# KiCad board ergotonic_f24.kicad_pcb
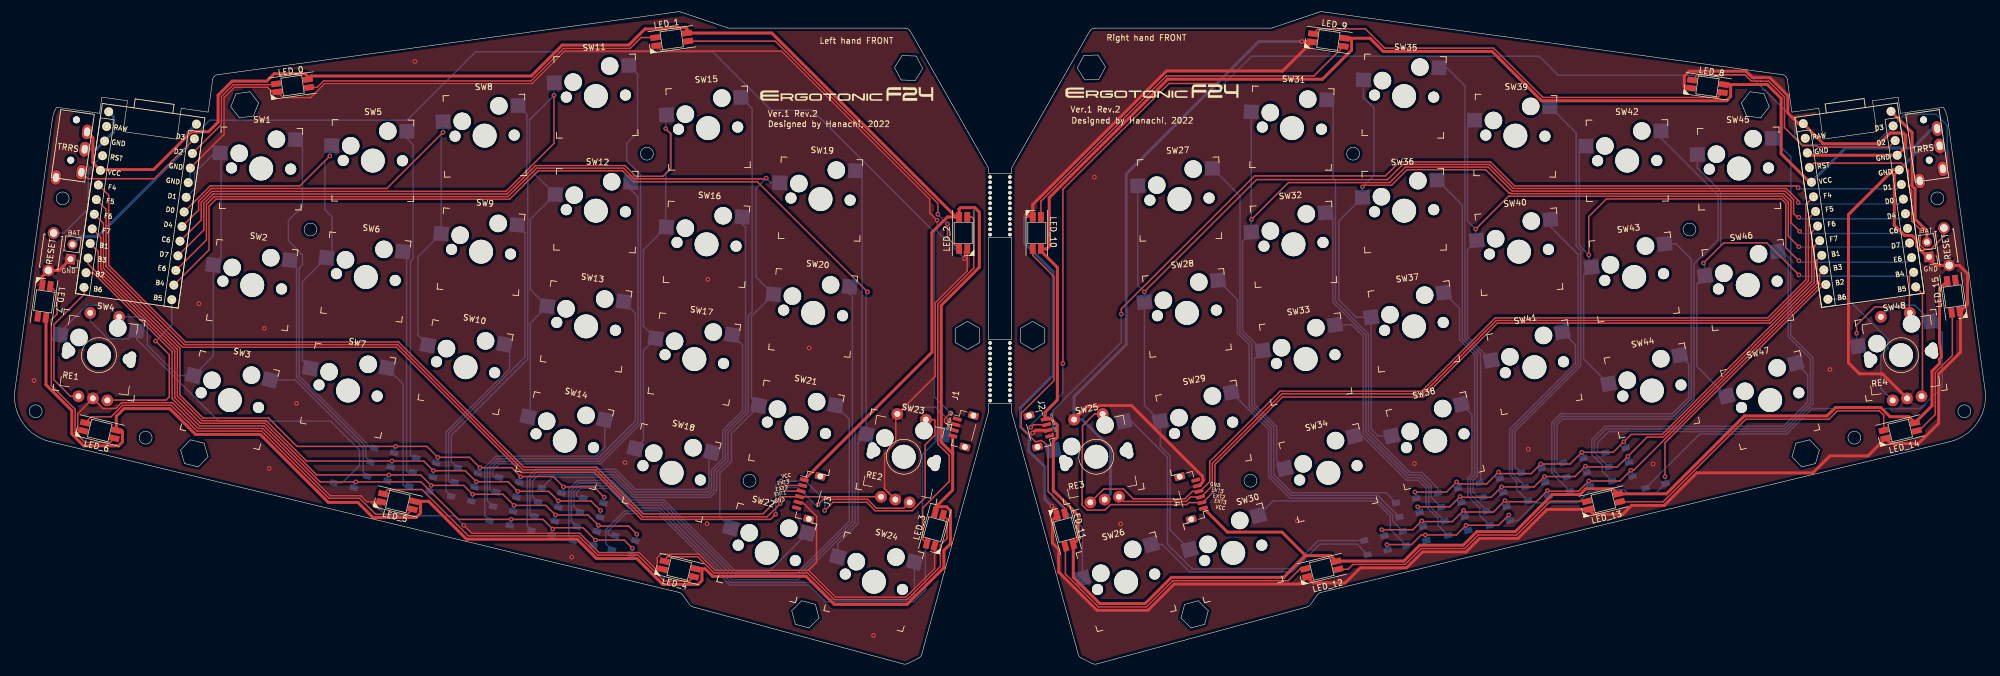
[diagram p0: board, top side]
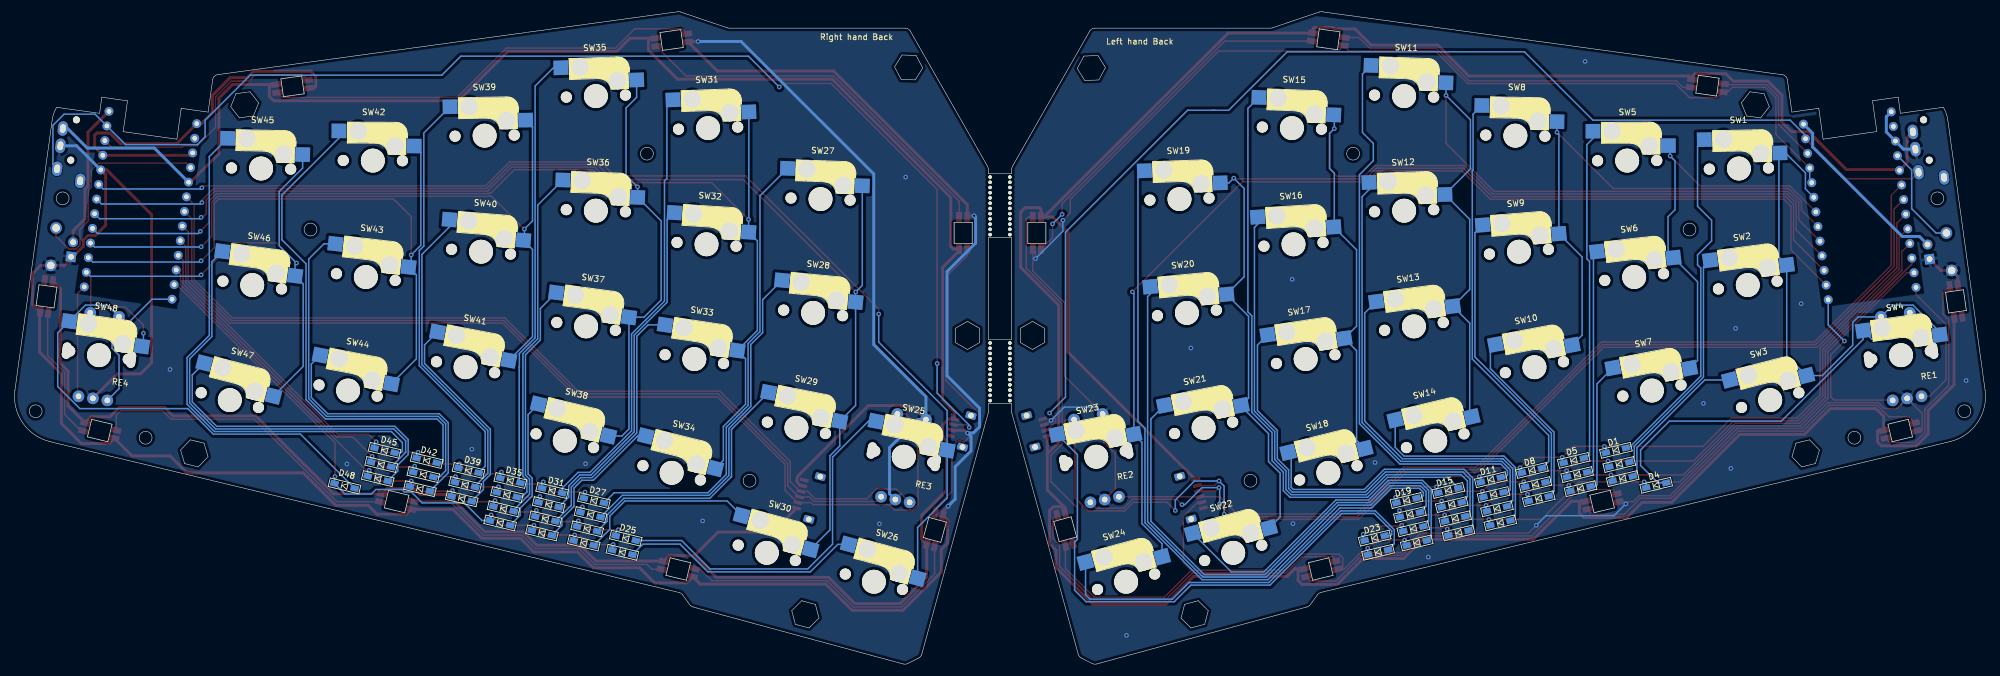
[diagram p1: board, bottom side, seen from below]

Outline 339.38 x 112.22 mm; copper layers: Top, Bottom. Coordinates in mm from the lower left corner of the outline.
Outline path: circle c4.12,43.52 r1.1 ; circle c8.76,80.12 r1.1 ; circle c23,38.97 r1.1 ; circle c51.31,74.76 r1.1 ; circle c109.07,87.8 r1.1 ; circle c126.69,31.57 r1.1 ; circle c212.69,31.57 r1.1 ; circle c230.32,87.8 r1.1 ; circle c288.07,74.76 r1.1 ; circle c316.38,38.97 r1.1 ; circle c330.63,80.12 r1.1 ; circle c335.26,43.52 r1.1 ; 29.01,36.85 29.69,34.52 32.04,33.95 33.72,35.7 33.04,38.03 30.68,38.6 29.01,36.85 ; 37.61,95.87 39.1,93.95 41.5,94.28 42.41,96.53 40.92,98.44 38.52,98.11 37.61,95.87 ; 133.94,9.23 134.56,6.89 136.9,6.25 138.62,7.96 137.99,10.31 135.65,10.94 133.94,9.23 ; 151.58,102.61 152.72,100.47 155.15,100.39 156.43,102.44 155.29,104.58 152.87,104.67 151.58,102.61 ; 162.01,57.76 162.01,55.34 164.11,54.13 166.21,55.34 166.21,57.76 164.11,58.98 162.01,57.76 ; 173.18,55.34 173.18,57.76 175.28,58.98 177.38,57.76 177.38,55.34 175.28,54.13 173.18,55.34 ; 182.95,102.54 184.09,104.68 186.51,104.77 187.8,102.71 186.66,100.57 184.24,100.49 182.95,102.54 ; 200.77,7.96 201.39,10.31 203.73,10.94 205.45,9.23 204.83,6.89 202.48,6.25 200.77,7.96 ; 296.97,96.53 298.46,98.44 300.86,98.11 301.78,95.87 300.29,93.95 297.89,94.28 296.97,96.53 ; 305.67,35.7 306.35,38.03 308.7,38.6 310.38,36.85 309.7,34.52 307.34,33.95 305.67,35.7
Stack: Top 0.035mm / dielectric 1.51mm FR4 er 4.5 / Bottom 0.035mm

## Placement (name value [footprint] x y rotation side)
BAT1  Conn_01x02  [PinHeader_1x02_P2.54mm_Vertical]  10.09 69.67 172 top
BAT2  Conn_01x02  [PinHeader_1x02_P2.54mm_Vertical]  329.19 70.07 188 top
D1  1N4148W  [D3_SMD_v2]  63.95 36.8 166.5 bottom
D2  1N4148W  [D3_SMD_v2]  63.36 34.37 166.5 bottom
D3  1N4148W  [D3_SMD_v2]  62.78 31.94 166.5 bottom
D4  1N4148W  [D3_SMD_v2]  57.03 30.79 166.5 bottom
D5  1N4148W  [D3_SMD_v2]  71.18 35.06 166.5 bottom
D6  1N4148W  [D3_SMD_v2]  70.6 32.63 166.5 bottom
D7  1N4148W  [D3_SMD_v2]  70.01 30.2 166.5 bottom
D8  1N4148W  [D3_SMD_v2]  78.36 33.34 166.5 bottom
D9  1N4148W  [D3_SMD_v2]  77.78 30.91 166.5 bottom
D10  1N4148W  [D3_SMD_v2]  77.19 28.48 166.5 bottom
D11  1N4148W  [D3_SMD_v2]  85.42 31.74 166.5 bottom
D12  1N4148W  [D3_SMD_v2]  84.95 29.18 166.5 bottom
D13  1N4148W  [D3_SMD_v2]  84.37 26.75 166.5 bottom
D14  1N4148W  [D3_SMD_v2]  83.79 24.32 166.5 bottom
D15  1N4148W  [D3_SMD_v2]  92.72 29.89 166.5 bottom
D16  1N4148W  [D3_SMD_v2]  92.13 27.46 166.5 bottom
D17  1N4148W  [D3_SMD_v2]  91.55 25.03 166.5 bottom
D18  1N4148W  [D3_SMD_v2]  90.97 22.6 166.5 bottom
D19  1N4148W  [D3_SMD_v2]  99.89 28.17 166.5 bottom
D20  1N4148W  [D3_SMD_v2]  99.31 25.74 166.5 bottom
D21  1N4148W  [D3_SMD_v2]  98.73 23.31 166.5 bottom
D22  1N4148W  [D3_SMD_v2]  98.14 20.87 166.5 bottom
D23  1N4148W  [D3_SMD_v2]  105.36 21.7 166.5 bottom
D24  1N4148W  [D3_SMD_v2]  104.78 19.27 166.5 bottom
D25  1N4148W  [D3_SMD_v2]  233.95 21.7 193.5 bottom
D26  1N4148W  [D3_SMD_v2]  234.53 19.27 193.5 bottom
D27  1N4148W  [D3_SMD_v2]  239.41 28.17 193.5 bottom
D28  1N4148W  [D3_SMD_v2]  239.99 25.74 193.5 bottom
D29  1N4148W  [D3_SMD_v2]  240.58 23.3 193.5 bottom
D30  1N4148W  [D3_SMD_v2]  241.16 20.87 193.5 bottom
D31  1N4148W  [D3_SMD_v2]  246.59 29.89 193.5 bottom
D32  1N4148W  [D3_SMD_v2]  247.17 27.46 193.5 bottom
D33  1N4148W  [D3_SMD_v2]  247.76 25.03 193.5 bottom
D34  1N4148W  [D3_SMD_v2]  248.34 22.6 193.5 bottom
D35  1N4148W  [D3_SMD_v2]  253.77 31.61 193.5 bottom
D36  1N4148W  [D3_SMD_v2]  254.35 29.18 193.5 bottom
D37  1N4148W  [D3_SMD_v2]  254.93 26.75 193.5 bottom
D38  1N4148W  [D3_SMD_v2]  255.52 24.32 193.5 bottom
D39  1N4148W  [D3_SMD_v2]  260.94 33.34 193.5 bottom
D40  1N4148W  [D3_SMD_v2]  261.53 30.91 193.5 bottom
D41  1N4148W  [D3_SMD_v2]  262.11 28.47 193.5 bottom
D42  1N4148W  [D3_SMD_v2]  268.12 35.06 193.5 bottom
D43  1N4148W  [D3_SMD_v2]  268.71 32.63 193.5 bottom
D44  1N4148W  [D3_SMD_v2]  269.29 30.2 193.5 bottom
D45  1N4148W  [D3_SMD_v2]  275.36 36.8 193.5 bottom
D46  1N4148W  [D3_SMD_v2]  275.94 34.37 193.5 bottom
D47  1N4148W  [D3_SMD_v2]  276.53 31.94 193.5 bottom
D48  1N4148W  [D3_SMD_v2]  282.23 30.68 193.5 bottom
G***  LOGO  [f24logo]  195.89 98.47 0 top
G***#2  LOGO  [f24logo]  143.49 97.97 0 top
J1  Conn_01x04  [JST_SH_BM03B-SRSS-TB_1x04-1MP_P1.00mm_Vertical]  163.24 40.39 254.9 top
J2  Conn_01x04  [JST_SH_BM03B-SRSS-TB_1x04-1MP_P1.00mm_Vertical]  176.56 40.39 105.1 top
J3  Conn_01x06  [JST_SH_BM03B-SRSS-TB_1x06-1MP_P1.00mm_Vertical]  136.69 28.97 254.9 top
J4  Conn_01x06  [JST_SH_BM03B-SRSS-TB_1x06-1MP_P1.00mm_Vertical]  202.69 28.92 105.1 top
LED_0  -  [YS-SK6812MINI-E]  48.23 99.5 8 top
LED_1  -  [YS-SK6812MINI-E]  113.32 107.46 8 top
LED_2  -  [YS-SK6812MINI-E]  163.37 74.17 90 top
LED_3  YS-SK6812MINI-E  [YS-SK6812MINI-E#3]  158.5 23.23 74.9 top
LED_4  -  [YS-SK6812MINI-E]  114.62 16.39 346.5 top
LED_5  -  [YS-SK6812MINI-E]  66.31 27.99 346.5 top
LED_6  -  [YS-SK6812MINI-E]  15.13 40.2 346.5 top
LED_7  -  [YS-SK6812MINI-E]  5.56 62.4 262 top
LED_8  -  [YS-SK6812MINI-E]  291.16 99.38 352 top
LED_9  -  [YS-SK6812MINI-E]  226.06 107.34 352 top
LED_10  -  [YS-SK6812MINI-E]  176.01 74.17 270 top
LED_11  YS-SK6812MINI-E  [YS-SK6812MINI-E#2]  180.88 23.13 285.1 top
LED_12  -  [YS-SK6812MINI-E]  224.94 16.39 13.5 top
LED_13  -  [YS-SK6812MINI-E]  273.29 27.99 13.5 top
LED_14  -  [YS-SK6812MINI-E]  324.25 40.2 13.5 top
LED_15  -  [YS-SK6812MINI-E]  333.4 63.27 98 top
mousebite1  -  [mousebite]  167.69 84.09 270 top
mousebite2  -  [mousebite]  171.09 84.09 270 top
mousebite3  -  [mousebite]  167.69 55.55 270 top
mousebite4  -  [mousebite]  171.09 55.55 270 top
RE1  RotaryEncoder_Switch  [RotaryEncoder_Alps_EC11E-Switch_Vertical_H20mm_rev2]  14.99 53.16 82 top
RE2  RotaryEncoder_Switch  [RotaryEncoder_Alps_EC11E-Switch_Vertical_H20mm_rev2]  153.17 35.69 78.9 top
RE3  RotaryEncoder_Switch  [RotaryEncoder_Alps_EC11E-Switch_Vertical_H20mm_rev2]  186.21 35.69 101.1 top
RE4  RotaryEncoder_Switch  [RotaryEncoder_Alps_EC11E-Switch_Vertical_H20mm_rev2]  324.39 53.16 98 top
SW1  SW_PUSH  [CherryMX_Hotswap]  42.83 85.25 358.9 top
SW2  SW_PUSH  [CherryMX_Hotswap]  41.3 65.22 352.4 top
SW3  SW_PUSH  [CherryMX_Hotswap]  37.46 45.43 345.6 top
SW4  SW_PUSH  [CherryMX_Hotswap]  14.99 53.16 352 top
SW5  SW_PUSH  [CherryMX_Hotswap]  62.01 86.61 359.7 top
SW6  SW_PUSH  [CherryMX_Hotswap]  60.81 66.59 353.4 top
SW7  SW_PUSH  [CherryMX_Hotswap]  57.76 47.08 349.1 top
SW8  SW_PUSH  [CherryMX_Hotswap]  81.21 90.9 1.1 top
SW9  SW_PUSH  [CherryMX_Hotswap]  80.59 70.94 355.4 top
SW10  SW_PUSH  [CherryMX_Hotswap]  77.93 51.09 349.3 top
SW11  SW_PUSH  [CherryMX_Hotswap]  100.31 97.7 2 top
SW12  SW_PUSH  [CherryMX_Hotswap]  100.3 78 358 top
SW13  SW_PUSH  [CherryMX_Hotswap]  98.63 58.11 352.4 top
SW14  SW_PUSH  [CherryMX_Hotswap]  94.97 38.45 346.5 top
SW15  SW_PUSH  [CherryMX_Hotswap]  119.57 92.19 2 top
SW16  SW_PUSH  [CherryMX_Hotswap]  119.3 72.22 356.4 top
SW17  SW_PUSH  [CherryMX_Hotswap]  117.21 52.49 351.5 top
SW18  SW_PUSH  [CherryMX_Hotswap]  113.32 32.93 346 top
SW19  SW_PUSH  [CherryMX_Hotswap]  138.88 79.99 358 top
SW20  SW_PUSH  [CherryMX_Hotswap]  137.6 60.42 354.6 top
SW21  SW_PUSH  [CherryMX_Hotswap]  134.74 40.67 348.9 top
SW22  SW_PUSH  [CherryMX_Hotswap]  129.65 19.17 344.9 top
SW23  SW_PUSH  [CherryMX_Hotswap]  153.17 35.69 348.9 top
SW24  SW_PUSH  [CherryMX_Hotswap]  148.04 14.2 344.9 top
SW25  SW_PUSH  [CherryMX_Hotswap]  186.21 35.69 11.1 top
SW26  SW_PUSH  [CherryMX_Hotswap]  191.34 14.2 15.1 top
SW27  SW_PUSH  [CherryMX_Hotswap]  200.51 79.99 2 top
SW28  SW_PUSH  [CherryMX_Hotswap]  201.78 60.42 5.4 top
SW29  SW_PUSH  [CherryMX_Hotswap]  204.65 40.67 11.1 top
SW30  SW_PUSH  [CherryMX_Hotswap]  209.73 19.17 15.1 top
SW31  SW_PUSH  [CherryMX_Hotswap]  219.81 92.19 357.9 top
SW32  SW_PUSH  [CherryMX_Hotswap]  220.08 72.22 3.6 top
SW33  SW_PUSH  [CherryMX_Hotswap]  222.17 52.49 8.5 top
SW34  SW_PUSH  [CherryMX_Hotswap]  226.06 32.93 14 top
SW35  SW_PUSH  [CherryMX_Hotswap]  239.07 97.7 358 top
SW36  SW_PUSH  [CherryMX_Hotswap]  239.08 78 2 top
SW37  SW_PUSH  [CherryMX_Hotswap]  240.76 58.11 7.6 top
SW38  SW_PUSH  [CherryMX_Hotswap]  244.41 38.45 13.5 top
SW39  SW_PUSH  [CherryMX_Hotswap]  258.17 90.9 358.9 top
SW40  SW_PUSH  [CherryMX_Hotswap]  258.79 70.94 4.6 top
SW41  SW_PUSH  [CherryMX_Hotswap]  261.45 51.09 10.7 top
SW42  SW_PUSH  [CherryMX_Hotswap]  277.37 86.61 0.3 top
SW43  SW_PUSH  [CherryMX_Hotswap]  278.57 66.59 6.5 top
SW44  SW_PUSH  [CherryMX_Hotswap]  281.62 47.08 10.8 top
SW45  SW_PUSH  [CherryMX_Hotswap]  296.56 85.25 1.1 top
SW46  SW_PUSH  [CherryMX_Hotswap]  298.08 65.22 7.6 top
SW47  SW_PUSH  [CherryMX_Hotswap]  301.93 45.43 14.4 top
SW48  SW_PUSH  [CherryMX_Hotswap]  324.39 53.16 8 top
SW_RESET1  SW_PUSH  [ResetSW_1side]  6.75 70.94 82 top
SW_RESET2  SW_PUSH  [ResetSW_1side]  332.21 71.81 98 top
TRRS1  MJ-4PP-9  [MJ-4PP-9_1side]  11.33 95.11 352 top
TRRS2  MJ-4PP-9  [MJ-4PP-9_1side]  328.05 95.11 8 top
U1  -  [ProMicro]  22.24 79.96 352 top
U2  -  [ProMicro]  317.1 80.04 8 top

## Footprints (pads in the part's own frame, mm; a bottom-side part is the same pattern mirrored in y, then rotated)
CherryMX_Hotswap
  round 1.9 hole 1.9 unplated: (-5.08,0) (5.08,0)
  round 3 hole 3 unplated: (-3.81,2.54) (2.54,5.08)
  round 4.1 hole 4.1 unplated: (0,0)
  rect 2.55x2.5 smd far side: 1(-7.085,2.54) 2(5.842,5.08)
D3_SMD_v2
  rect 1.4x1 smd: 1(-1.775,0) 2(1.775,0)
JST_SH_BM03B-SRSS-TB_1x04-1MP_P1.00mm_Vertical
  rrect 0.6x1.55 smd: 1(-1.5,-1.325) 2(-0.5,-1.325) 3(0.5,-1.325) 4(1.5,-1.325)
  rrect 1.2x1.8 hole 1: MP(-2.8,1.2) MP(2.8,1.2)
JST_SH_BM03B-SRSS-TB_1x06-1MP_P1.00mm_Vertical
  rrect 0.6x1.55 smd: 1(-2.5,-1.325) 2(-1.5,-1.325) 3(-0.5,-1.325) 4(0.5,-1.325) 5(1.5,-1.325) 6(2.5,-1.325)
  rrect 1.2x1.8 hole 1: MP(-3.8,1.2) MP(3.8,1.2)
MJ-4PP-9_1side
  round 1.2 hole 1.2 unplated: (0,-1.5) (0,-8.5)
  oval 1.7x2.5 hole 1x1.5: A(-2.1,-11.8) B(2.1,-3.3) C(2.1,-6.3) D(2.1,-10.3)
mousebite
  round 0.6 hole 0.6 unplated: (0.3,0.3) (1.2,0.3) (2.1,0.3) (3,0.3) (3.9,0.3) (4.8,0.3) (5.7,0.3) (6.6,0.3) (7.5,0.3) (8.4,0.3) (9.3,0.3) (10.2,0.3)
PinHeader_1x02_P2.54mm_Vertical
  rect 1.7x1.7 hole 1: 1(0,0)
  oval 1.7x1.7 hole 1: 2(0,-2.54)
ProMicro
  round 1.524 hole 0.813: 1(7.606,11.578) 2(7.606,9.038) 3(7.606,6.498) 4(7.606,3.958) 5(7.606,1.418) 6(7.606,-1.122) 7(7.606,-3.662) 8(7.606,-6.202) 9(7.606,-8.742) 10(7.606,-11.282) 11(7.606,-13.822) 12(7.606,-16.362) 13(-7.614,-16.362) 14(-7.614,-13.822) 15(-7.614,-11.282) 16(-7.614,-8.742) 17(-7.614,-6.202) 18(-7.614,-3.662) 19(-7.614,-1.122) 20(-7.614,1.418) 21(-7.614,3.958) 22(-7.614,6.498) 23(-7.614,9.038) 24(-7.614,11.578) 25(-7.614,14.118) 26(7.606,14.118)
ResetSW_1side
  round 2 hole 1.3: 1(3.25,0) 2(-3.25,0)
RotaryEncoder_Alps_EC11E-Switch_Vertical_H20mm_rev2
  round 2 hole 1: A(-7.5,2.5) B(-7.5,-2.5) C(-7.5,0) S1(7,-2.5) S2(7,2.5)
  oval 2.8x1.5 hole 2.8x1.5: MP(0,5.6) MP(0,-5.6)
YS-SK6812MINI-E
  rect 1.7x1 smd: 1(2.75,0.7) 2(2.75,-0.7) 3(-2.75,-0.7) 4(-2.75,0.7)
YS-SK6812MINI-E#2
  rect 1.7x1 smd: 1(2.75,0.7) 2(2.75,-0.7) 3(-2.75,-0.7) 4(-2.75,0.7)
YS-SK6812MINI-E#3
  rect 1.7x1 smd: 1(2.75,0.7) 2(2.75,-0.7) 3(-2.75,-0.7) 4(-2.75,0.7)

## Nets
GND: BAT1.1 J1.2 J3.5 LED_0.3 LED_1.3 LED_2.3 LED_3.3 LED_4.3 LED_5.3 LED_6.3 LED_7.3 RE1.C RE2.C RE2.S2 SW_RESET1.2 TRRS1.C U1.3 U1.4 U1.23 U1.25
GND2: BAT2.1 J2.2 J4.5 LED_8.3 LED_9.3 LED_10.3 LED_11.3 LED_12.3 LED_13.3 LED_14.3 LED_15.3 RE3.C RE3.S2 RE4.C SW_RESET2.2 TRRS2.C U2.3 U2.4 U2.23 U2.25
VCC: J1.4 J3.1 LED_0.1 LED_1.1 LED_2.1 LED_3.1 LED_4.1 LED_5.1 LED_6.1 LED_7.1 TRRS1.B U1.21
VCC2: J2.4 J4.1 LED_8.1 LED_9.1 LED_10.1 LED_11.1 LED_12.1 LED_13.1 LED_14.1 LED_15.1 TRRS2.B U2.21
BAT: BAT1.2 U1.26
BAT2: BAT2.2 U2.26
C1: RE1.S1 SW1.1 SW2.1 SW3.1 SW4.1 U1.5
C2: SW5.1 SW6.1 SW7.1 U1.6
C3: SW8.1 SW9.1 SW10.1 U1.7
C4: SW11.1 SW12.1 SW13.1 SW14.1 U1.8
C5: SW15.1 SW16.1 SW17.1 SW18.1 U1.9
C6: SW19.1 SW20.1 SW21.1 SW22.1 U1.10
C7: SW23.1 SW24.1 U1.11
C8: SW25.1 SW26.1 U2.5
C9: SW27.1 SW28.1 SW29.1 SW30.1 U2.6
C10: SW31.1 SW32.1 SW33.1 SW34.1 U2.7
C11: SW35.1 SW36.1 SW37.1 SW38.1 U2.8
C12: SW39.1 SW40.1 SW41.1 U2.9
C13: SW42.1 SW43.1 SW44.1 U2.10
C14: RE4.S1 SW45.1 SW46.1 SW47.1 SW48.1 U2.11
D4: D4.2 RE1.S2 SW4.2
D48: D48.2 RE4.S2 SW48.2
DATA: J1.3 TRRS1.D U1.1
DATA2: J2.3 TRRS2.D U2.1
ENC2_A: J4.4 RE3.A U2.20
ENC2_B: J4.3 RE3.B U2.19
ENC2_PUSH: J4.2 RE3.S1 U2.18
ENC_A: J3.4 RE2.A U1.20
ENC_B: J3.3 RE2.B U1.19
ENC_PUSH: J3.2 RE2.S1 U1.18
LED: LED_0.4 U1.2
LED2: LED_8.4 U2.2
R1: D1.1 D5.1 D8.1 D11.1 D15.1 D19.1 U1.17
R2: D2.1 D6.1 D9.1 D12.1 D16.1 D20.1 U1.16
R3: D3.1 D7.1 D10.1 D13.1 D17.1 D21.1 D23.1 U1.15
R4: D4.1 D14.1 D18.1 D22.1 D24.1 U1.14
R5: D27.1 D31.1 D35.1 D39.1 D42.1 D45.1 U2.17
R6: D28.1 D32.1 D36.1 D40.1 D43.1 D46.1 U2.16
R7: D25.1 D29.1 D33.1 D37.1 D41.1 D44.1 D47.1 U2.15
R8: D26.1 D30.1 D34.1 D38.1 D48.1 U2.14
RE1A: RE1.A U1.13
RE1B: RE1.B U1.12
RE4A: RE4.A U2.13
RE4B: RE4.B U2.12
RESET: SW_RESET1.1 U1.22
RESET2: SW_RESET2.1 U2.22
Net-(D1-Pad2): D1.2 SW1.2
Net-(D2-Pad2): D2.2 SW2.2
Net-(D3-Pad2): D3.2 SW3.2
Net-(D5-Pad2): D5.2 SW5.2
Net-(D6-Pad2): D6.2 SW6.2
Net-(D7-Pad2): D7.2 SW7.2
Net-(D8-Pad2): D8.2 SW8.2
Net-(D9-Pad2): D9.2 SW9.2
Net-(D10-Pad2): D10.2 SW10.2
Net-(D11-Pad2): D11.2 SW11.2
Net-(D12-Pad2): D12.2 SW12.2
Net-(D13-Pad2): D13.2 SW13.2
Net-(D14-Pad2): D14.2 SW14.2
Net-(D15-Pad2): D15.2 SW15.2
Net-(D16-Pad2): D16.2 SW16.2
Net-(D17-Pad2): D17.2 SW17.2
Net-(D18-Pad2): D18.2 SW18.2
Net-(D19-Pad2): D19.2 SW19.2
Net-(D20-Pad2): D20.2 SW20.2
Net-(D21-Pad2): D21.2 SW21.2
Net-(D22-Pad2): D22.2 SW22.2
Net-(D23-Pad2): D23.2 SW23.2
Net-(D24-Pad2): D24.2 SW24.2
Net-(D25-Pad2): D25.2 SW25.2
Net-(D26-Pad2): D26.2 SW26.2
Net-(D27-Pad2): D27.2 SW27.2
Net-(D28-Pad2): D28.2 SW28.2
Net-(D29-Pad2): D29.2 SW29.2
Net-(D30-Pad2): D30.2 SW30.2
Net-(D31-Pad2): D31.2 SW31.2
Net-(D32-Pad2): D32.2 SW32.2
Net-(D33-Pad2): D33.2 SW33.2
Net-(D34-Pad2): D34.2 SW34.2
Net-(D35-Pad2): D35.2 SW35.2
Net-(D36-Pad2): D36.2 SW36.2
Net-(D37-Pad2): D37.2 SW37.2
Net-(D38-Pad2): D38.2 SW38.2
Net-(D39-Pad2): D39.2 SW39.2
Net-(D40-Pad2): D40.2 SW40.2
Net-(D41-Pad2): D41.2 SW41.2
Net-(D42-Pad2): D42.2 SW42.2
Net-(D43-Pad2): D43.2 SW43.2
Net-(D44-Pad2): D44.2 SW44.2
Net-(D45-Pad2): D45.2 SW45.2
Net-(D46-Pad2): D46.2 SW46.2
Net-(D47-Pad2): D47.2 SW47.2
Net-(LED_0-Pad2): LED_0.2 LED_1.4
Net-(LED_1-Pad2): LED_1.2 LED_2.4
Net-(LED_2-Pad2): LED_2.2 LED_3.4
Net-(LED_3-Pad2): LED_3.2 LED_4.4
Net-(LED_4-Pad2): LED_4.2 LED_5.4
Net-(LED_5-Pad2): LED_5.2 LED_6.4
Net-(LED_6-Pad2): LED_6.2 LED_7.4
Net-(LED_8-Pad2): LED_8.2 LED_9.4
Net-(LED_10-Pad2): LED_10.2 LED_11.4
Net-(LED_10-Pad4): LED_9.2 LED_10.4
Net-(LED_11-Pad2): LED_11.2 LED_12.4
Net-(LED_12-Pad2): LED_12.2 LED_13.4
Net-(LED_13-Pad2): LED_13.2 LED_14.4
Net-(LED_14-Pad2): LED_14.2 LED_15.4

Pads without a net: J1 1 MP; J2 1 MP; J3 6 MP; J4 6 MP; LED_7 2; LED_15 2; RE1 MP; RE2 MP; RE3 MP; RE4 MP; TRRS1 A; TRRS2 A; U1 24; U2 24

## Via types
v1: diameter 0.8, hole 0.4, Top to Bottom, 110 vias

## Routing (per net, layer and track width the routed paths; a pad name or vN(x,y) marks a point on that pad's centre or on a via; arc(x,y) is an arc through that point)
GND: length 445.4
  Top w0.25: v1(158.9,76.36) 157.63,77.63 157.63,79.98 132.16,105.44 111.64,105.44 LED_1.3 109.75,105.44 94.94,105.44 89.35,99.85 53.74,99.85 51.33,97.44 46.58,97.44 LED_0.3 44.74,98.42 43.95,99.22 38.25,99.22 36.47,97.44 36.47,91.13 U1.3 ; v1(163.6,69.75) 163.6,70.95 LED_2.3 164.07,67.65 158.57,62.15 158.57,49.55 RE2.S2 151.8,42.77 151.8,38.15 149.88,36.23 149.88,30.18 RE2.C 149.78,30.28 ; J1.2 161.66,41.22 v1(160.94,41.94) ; LED_3.3 158.46,16.49 153.53,11.55 141.46,11.55 136.84,16.17 ; J3.5 135.76,27.86 138.19,25.43 138.19,17.52 136.84,16.17 ; v1(77.62,23.91) 78.98,22.55 97.52,22.55 100.85,19.22 107.76,19.22 110.62,16.35 LED_4.3 110.91,16.35 110.84,16.42 110.84,18.3 111.49,18.95 117.99,18.95 120.78,16.17 136.84,16.17 ; v1(62.25,27.59) 63.11,27.59 LED_5.3 61,27.96 59.96,29 54.67,29 43.12,40.55 32.04,40.55 27.7,44.89 27.66,44.89 27.56,44.99 18.87,44.99 17.87,43.99 15.69,43.99 RE1.C 11.35,43.13 11.35,40.23 11.42,40.16 LED_6.3
  Top w0.5: BAT1.1 8.15,67.72 SW_RESET1.2 5.25,66.67 LED_7.3
  Bottom w0.25: RE2.S2 153.25,44.23 158.65,44.23 v1(160.94,41.94) ; v1(62.25,27.59) 64.28,25.56 75.97,25.56 v1(77.62,23.91) ; v1(163.6,69.75) 158.9,74.45 v1(158.9,76.36) ; U1.3 30.67,83.17 U1.4
  Bottom w0.5: U1.25 17.52,94.14 17.52,91.53 U1.23 14.56,88.57 TRRS1.C
  vias: v1(3.83,48.8) v1(32.15,62.01) v1(43.39,57.77) v1(44.22,33.69) v1(48.91,44.86) v1(69.23,103.66) v1(96.16,18.45) v1(105.3,34.7) v1(119.4,24.2) v1(119.53,66.2) v1(136.93,54.39) v1(147.97,4.98)
GND2: length 622.9
  Top w0.5: v1(174.14,77.12) 175.12,77.12 LED_10.3 175.31,79.06 198.27,102.01 218.23,102.01 LED_9.3 223.18,107.09 v1(221.51,107.09) ; U2.23 308.7,87.53 U2.3 325.14,88.94 325.14,90.96 324.76,91.34 322.53,91.34 320.69,89.51 311.06,89.51 U2.25 306.8,92.96 304.95,94.81 304.95,97.79 301.87,100.87 298.91,100.87 297.8,101.98 288.03,101.98 287.17,101.12 287.17,99.38 287.48,99.07 LED_8.3 ; RE4.C 321.22,49.94 317.27,49.94 315.36,51.85 315.36,77.32 323.05,85.02 U2.4 323.23,84.16 323.23,75.52 325,73.75 326.26,73.75 327.09,72.92 327.09,71.86 330.36,68.59 SW_RESET2.2 334.4,68.59 335.81,67.19 335.81,61.96 334.5,60.65 LED_15.3 334.59,60.53 334.59,53.68 330.85,49.94 330.85,41.43 327.39,37.97 322.65,37.97 LED_14.3 318.71,35.85 312.19,35.85 309.26,32.92 289.33,32.92 283.74,27.34 278.15,27.34 276.63,25.81 271.64,25.81 LED_13.3 270.75,26.64 263.61,26.64 258.64,21.67 252.04,21.67 249.7,19.34 242.23,19.34 239.5,16.61 231.58,16.61 228.97,14 223.49,14 LED_12.3 221.16,13.81 199.6,13.81 195.09,9.3 186.34,9.3 179.77,15.87 179.77,19.77 178.71,20.83 178.71,24.26 178.65,24.49 178.65,24.76 LED_11.3 179.49,26.3 v1(178.58,27.21) ; 175.61,40.12 v1(175.28,39.79) 175.75,40.25 J2.2 ; J4.5 203.89,30.71 204.36,31.18 204.6,31.61 204.4,32.38 192.28,44.5 186.72,44.5 186.59,44.37 184.7,44.37 RE3.S2
  Bottom w0.5: v1(178.58,27.21) 177.39,28.4 177.39,33.97 174.67,36.7 174.67,39.17 v1(175.28,39.79) 174.26,39.79 173.2,40.84 173.2,44.06 178.79,49.64 178.79,67.52 173.88,72.42 173.88,76.87 v1(174.14,77.12) ; U2.4 328.23,89.16 TRRS2.C ; v1(221.51,107.09) 214.14,107.09 191.37,84.32 191.37,54.98 182.41,46.02 RE3.S2 183.82,42.08 188.66,37.24 188.66,29.34 RE3.C
  vias: v1(185.89,83.77) v1(190.39,24.16) v1(220.75,24.67) v1(240.86,34.5) v1(260.37,36.99) v1(281.83,34.45) v1(312.19,50.7)
VCC: length 524.8
  Top w0.5: 162,76.92 160.67,76.92 158,74.25 158,53.66 J3.1 ; 162,76.92 162,77.05 130.52,108.54 LED_1.1 115.94,109.28 115.72,109.51 112.54,109.51 112.29,109.25 108.73,109.25 105.95,106.47 94.52,106.47 89.21,101.16 51.44,101.16 LED_0.1 50.85,101.08 50.39,101.55 45.07,101.55 43.79,100.27 37.85,100.27 35.44,97.86 35.44,93.22 33.8,91.57 30.88,91.57 24.37,85.07 15.38,85.07 U1.21 13.95,86.23 13.95,90.55 TRRS1.B ; 162,76.92 LED_2.1 162.67,78.27 162.91,78.52 165.37,78.52 166.14,77.76 166.14,68.26 159.6,61.73 159.6,43.17 159.59,43.17 159.59,38.2 161.56,36.23 ; LED_3.1 158.54,26.95 ; 158.54,26.95 158.7,27.1 160.53,27.1 161.18,26.45 161.18,20.73 160.06,19.61 160.06,16.64 153.74,10.32 141.24,10.32 136.42,15.14 120.36,15.14 119.07,16.43 LED_4.1 118.33,16.43 118.52,16.24 118.52,14.43 117.84,13.75 111.78,13.75 107.33,18.19 100.43,18.19 97.1,21.52 78.1,21.52 71.59,28.03 LED_5.1 70.02,28.03 70.22,27.84 70.22,26.03 69.42,25.24 62.04,25.24 59.43,27.84 54.38,27.84 42.69,39.53 31.58,39.53 27.14,43.97 19.29,43.97 17.97,42.64 LED_6.1 18.84,40.24 19.03,40.05 19.03,38.24 18.36,37.57 12.38,37.57 10.33,39.63 10.33,43.64 5.89,48.07 5.89,59.56 LED_7.1 ; 158.54,26.95 161.56,29.97 161.56,36.23 ; 161.56,36.23 161.56,39.28 J1.4